# Altium PCB smart-ring-main.PcbDoc (part 2 of 6)
Units mm, origin at the board's own origin, x right, y up, seen from the top; angles counter-clockwise.
Board outline 62.7 x 25.3 mm, 6 copper layers (S1 Copper top, S2 Flex copper top, S3 Flex copper inner 1, S4 Flex copper inner 2, S5 Flex copper bottom, S6 Copper bottom), stack 0.511 mm thick; 75 components, 47 nets, 265 pads, 262 vias.
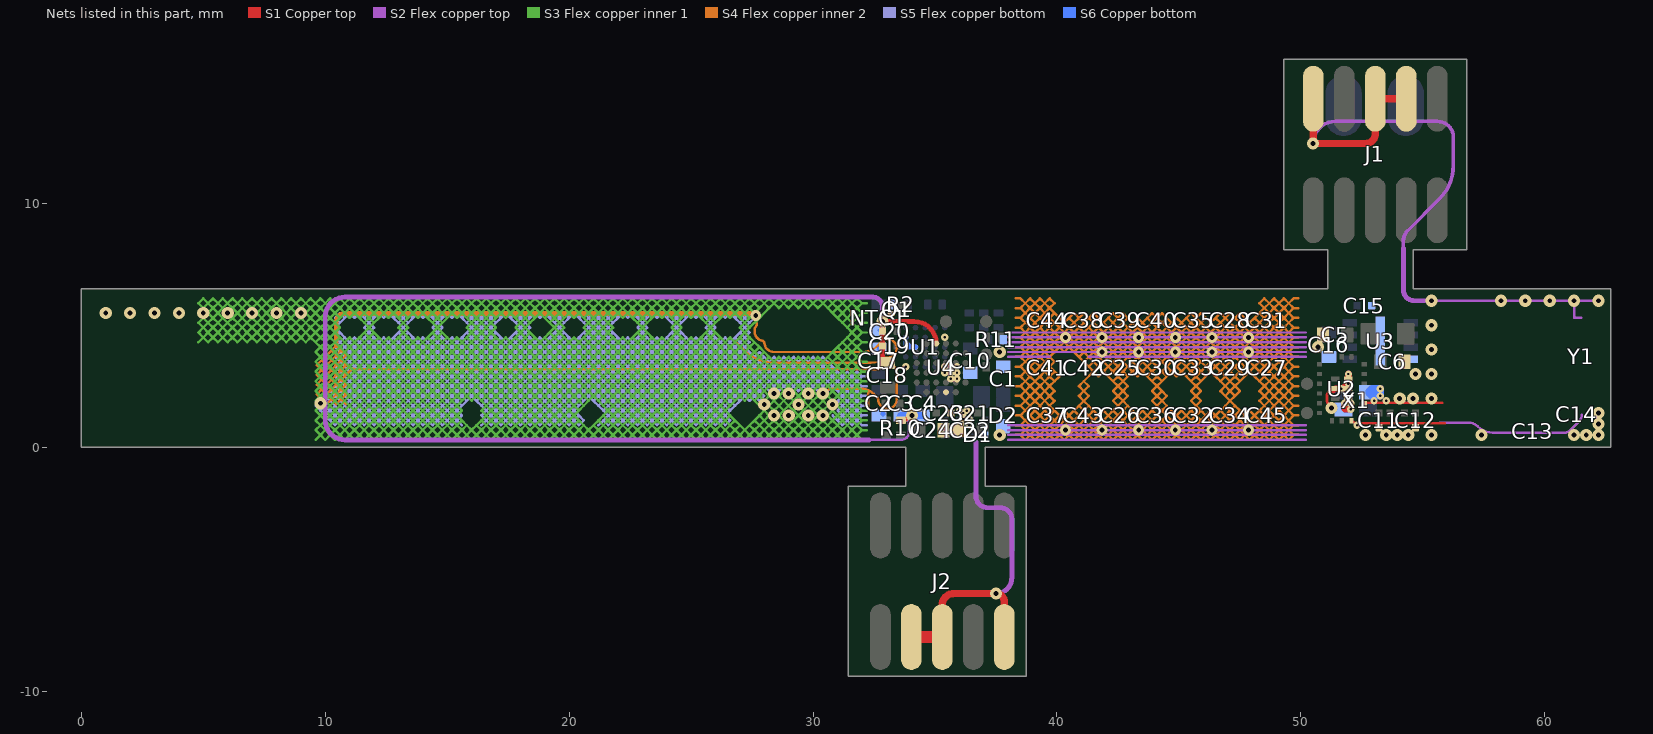
[diagram p6: the nets of this part, all layers, seen from the top]

## Via types
v1: diameter 0.45, hole 0.2, S2 Flex copper top to S5 Flex copper bottom, tented both sides, 61 vias
v2: diameter 0.5/0.5/0.5/0.5 (per signal layer), hole 0.2, S2 Flex copper top to S5 Flex copper bottom, 60 vias
v3: diameter 0.25/0.3 (per signal layer), hole 0.1, S1 Copper top to S2 Flex copper top, tented both sides, 40 vias
v4: diameter 0.4/0.5/0.5/0.5/0.5/0.4 (per signal layer), hole 0.2, S1 Copper top to S6 Copper bottom, tented both sides, 35 vias
v5: diameter 0.3/0.25 (per signal layer), hole 0.1, S5 Flex copper bottom to S6 Copper bottom, tented both sides, 34 vias
v6: diameter 0.5/0.5/0.5/0.5 (per signal layer), hole 0.2, S2 Flex copper top to S5 Flex copper bottom, tented both sides, 12 vias
v7: diameter 0.25, hole 0.1, S1 Copper top to S2 Flex copper top, tented both sides, 10 vias
v8: diameter 0.45/0.45/0.45/0.45 (per signal layer), hole 0.2, S2 Flex copper top to S5 Flex copper bottom, tented both sides, 4 vias
v9: diameter 0.4/0.45/0.45/0.45/0.45/0.4 (per signal layer), hole 0.2, S1 Copper top to S6 Copper bottom, tented both sides, 3 vias
v10: diameter 0.4, hole 0.2, S1 Copper top to S6 Copper bottom, tented both sides, 2 vias
v11: diameter 0.4/0.5/0.5/0.5/0.4/0.4 (per signal layer), hole 0.2, S1 Copper top to S6 Copper bottom, tented both sides, 1 vias

## Nets (pads, with @x,y where several pads share a name; then routed paths per layer and width w, separated by ;. In a path a pad name is that pad's centre, name@x,y a point inside that pad or via, vN(x,y) a via of type N, cw(c..) or ccw(c..) an arc to the next point about the centre after c; other vN are vias at no path point) (continued)
GND: (continued)
  S3 Flex copper inner 1 w0.1: 4.799,4.301 4.999,4.501 ; v2(6,5.5) 6.199,5.301 ; 6.2,5.7 6.399,5.501 ; v2(8,5.5) 8.199,5.3 ; 9.599,0.3 9.799,0.5 ; 19.2,5.1 19,5.3 ; 27.3,5.4 27.4,5.3 ; 27.5,5.6 v1@27.6,5.5 ; 27.7,0.6 27.6,0.7 ; 31,2.5 31.2,2.3 ; 31,2.9 31.2,2.7 ; 31,3.3 31.2,3.1 ; 31.4,2.5 31.6,2.3 ; 31.4,2.9 31.6,2.7 ; 31.4,3.3 31.6,3.1 ; 31.6,3.5 31.4,3.7 ; 32,4.3 31.8,4.1 ; 32.2,0.3 32,0.3 31.8,0.5 ; 32.2,0.7 32,0.7 ; 32.2,1.1 32,1.1 ; 32.2,1.5 32,1.5 ; 32.2,1.9 32,1.9 ; 32.2,2.3 32,2.3 ; 32.2,2.7 32,2.7 ; 32.2,3.1 32,3.1 ; 32.2,3.5 32,3.5 ; 32.2,3.9 32,3.9 ; 32.2,4.3 32,4.3 31.8,4.5 ; 32.2,4.7 32,4.7 ; 32.2,5.1 32,5.1 ; 32.2,5.5 32,5.5 ; 32.2,5.9 32,5.9 ; 4.999,4.501 5.199,4.701 ; 4.999,4.501 5.199,4.301 5.399,4.501 ; 4.999,4.501 4.799,4.701 4.999,4.901 ; 4.999,4.901 5.199,5.101 ; 4.999,4.901 5.199,4.701 ; 4.999,4.901 4.799,5.101 v2@4.999,5.301 ; v2@4.999,5.301 v2@5.199,5.501 ; v2@4.999,5.301 4.9,5.4 4.799,5.501 v2@4.999,5.701 ; v2@4.999,5.301 5.199,5.101 ; v2@4.999,5.701 5.1,5.6 v2@5.199,5.501 ; v2@4.999,5.701 5.199,5.901 ; v2@4.999,5.701 4.799,5.901 4.999,6.101 5.199,5.901 ; 5.199,4.701 5.399,4.901 ; 5.199,4.701 5.399,4.501 ; 5.199,5.101 5.399,5.301 ; 5.199,5.101 5.399,4.901 ; v2@5.199,5.501 5.399,5.701 ; v2@5.199,5.501 5.399,5.301 ; 5.199,5.901 5.399,6.101 5.599,5.901 ; 5.199,5.901 5.399,5.701 ; 5.399,4.501 5.599,4.301 5.799,4.501 ; 5.399,4.501 5.599,4.701 ; 5.399,4.901 5.599,4.701 ; 5.399,4.901 5.599,5.101 ; 5.399,5.301 5.599,5.501 ; 5.399,5.301 5.599,5.101 ; 5.399,5.701 5.599,5.501 ; 5.399,5.701 5.599,5.901 ; 5.599,4.701 5.799,4.501 ; 5.599,4.701 5.799,4.901 ; 5.599,5.101 5.799,4.901 ; 5.599,5.101 5.799,5.301 ; 5.599,5.501 5.799,5.701 ; 5.599,5.501 5.799,5.301 ; 5.599,5.901 5.799,6.101 5.999,5.901 ; 5.599,5.901 5.799,5.701 ; 5.799,4.501 5.999,4.701 ; 5.799,4.501 5.999,4.301 6.199,4.501 ; 5.799,4.901 5.999,5.101 ; 5.799,4.901 5.999,4.701 ; 5.799,5.301 5.8,5.3 5.999,5.101 ; 5.799,5.301 v2@5.999,5.501 ; 5.799,5.701 5.999,5.901 ; 5.799,5.701 v2@5.999,5.501 ; 5.999,4.701 6.199,4.901 ; 5.999,4.701 6.199,4.501 ; 5.999,5.101 6.199,5.301 ; 5.999,5.101 6.199,4.901 ; v2@5.999,5.501 6.199,5.701 ; 5.999,5.901 6.199,6.101 6.399,5.901 ; 5.999,5.901 6.199,5.701 ; 6.199,4.501 6.399,4.301 6.599,4.501 ; 6.199,4.501 6.399,4.701 ; 6.199,4.901 6.399,4.701 ; 6.199,4.901 6.399,5.101 ; 6.199,5.301 6.399,5.501 ; 6.199,5.301 6.399,5.101 ; 6.199,5.701 6.399,5.901 ; 6.399,4.701 6.599,4.501 ; 6.399,4.701 6.599,4.901 ; 6.399,5.101 6.599,4.901 ; 6.399,5.101 6.599,5.301 ; 6.399,5.501 6.599,5.701 ; 6.399,5.501 6.599,5.301 ; 6.399,5.901 6.599,6.101 6.799,5.901 ; 6.399,5.901 6.599,5.701 ; 6.599,4.501 6.799,4.701 ; 6.599,4.501 6.799,4.3 6.999,4.5 ; 6.599,4.901 6.799,5.101 ; 6.599,4.901 6.799,4.701 ; 6.599,5.301 v2@6.799,5.501 ; 6.599,5.301 6.799,5.101 ; 6.599,5.701 6.799,5.901 ; 6.599,5.701 v2@6.799,5.501 ; 6.799,4.7 6.999,4.9 ; 6.799,4.7 6.999,4.5 ; 6.799,5.1 v2@6.999,5.3 ; 6.799,5.1 6.999,4.9 ; v2@6.799,5.5 v2@6.999,5.7 ; v2@6.799,5.5 6.9,5.4 v2@6.999,5.3 ; 6.799,5.9 6.999,6.1 7.199,5.9 ; 6.799,5.9 v2@6.999,5.7 ; 6.999,4.5 7.199,4.3 7.399,4.5 ; 6.999,4.5 7.199,4.7 ; 6.999,4.9 7.199,4.7 ; 6.999,4.9 7.199,5.1 ; v2@6.999,5.3 v2@7.199,5.5 ; v2@6.999,5.3 7.199,5.1 ; v2@6.999,5.7 7.1,5.6 v2@7.199,5.5 ; v2@6.999,5.7 7.199,5.9 ; 7.199,4.7 7.399,4.5 ; 7.199,4.7 7.399,4.9 ; 7.199,5.1 7.399,4.9 ; 7.199,5.1 7.399,5.3 ; v2@7.199,5.5 7.399,5.7 ; v2@7.199,5.5 7.399,5.3 ; 7.199,5.9 7.399,6.1 7.599,5.9 ; 7.199,5.9 7.399,5.7 ; 7.399,4.5 7.599,4.7 ; 7.399,4.5 7.599,4.3 7.799,4.5 ; 7.399,4.9 7.599,5.1 ; 7.399,4.9 7.599,4.7 ; 7.399,5.3 7.599,5.5 ; 7.399,5.3 7.599,5.1 ; 7.399,5.7 7.599,5.9 ; 7.399,5.7 7.599,5.5 ; 7.599,4.7 7.799,4.9 ; 7.599,4.7 7.799,4.5 ; 7.599,5.1 7.799,5.3 ; 7.599,5.1 7.799,4.9 ; 7.599,5.5 7.799,5.7 ; 7.599,5.5 7.799,5.3 ; 7.599,5.9 7.799,6.1 7.999,5.9 ; 7.599,5.9 7.799,5.7 ; 7.799,4.5 7.999,4.3 8.199,4.5 ; 7.799,4.5 7.999,4.7 ; 7.799,4.9 7.999,4.7 ; 7.799,4.9 7.999,5.1 ; 7.8,5.3 7.999,5.1 ; 7.799,5.3 v2(8,5.5) ; 7.799,5.7 7.999,5.9 ; 7.799,5.7 v2(8,5.5) ; 7.999,4.7 8.199,4.5 ; 7.999,4.7 8.199,4.9 ; 7.999,5.1 8.199,4.9 ; 7.999,5.1 8.199,5.3 ; v2(8,5.5) 8.199,5.7 ; 7.999,5.9 8.199,6.1 8.399,5.9 ; 7.999,5.9 8.199,5.7 ; 8.199,4.5 8.399,4.3 8.599,4.5 ; 8.199,4.5 8.399,4.7 ; 8.199,4.9 8.399,5.1 ; 8.199,4.9 8.399,4.7 ; 8.199,5.3 8.399,5.5 ; 8.199,5.3 8.399,5.1 ; 8.2,5.7 8.399,5.5 ; 8.199,5.7 8.399,5.9 ; 8.399,4.7 8.599,4.5 ; 8.399,4.7 8.599,4.9 ; 8.399,5.1 8.599,5.3 ; 8.399,5.1 8.599,4.9 ; 8.399,5.5 8.599,5.7 ; 8.399,5.5 8.599,5.3 ; 8.399,5.9 8.599,6.1 8.799,5.9 ; 8.399,5.9 8.599,5.7 ; 8.599,4.5 8.799,4.3 8.999,4.5 ; 8.599,4.5 8.799,4.7 ; 8.599,4.9 8.799,4.7 ; 8.599,4.9 8.799,5.1 ; 8.599,5.3 v2@8.799,5.5 ; 8.599,5.3 8.799,5.1 ; 8.599,5.7 v2@8.799,5.5 ; 8.599,5.7 8.799,5.9 ; 8.799,4.7 8.999,4.5 ; 8.799,4.7 8.999,4.9 ; 8.799,5.1 8.999,4.9 ; 8.799,5.1 v2@8.999,5.3 ; v2@8.799,5.5 v2@8.999,5.7 ; v2@8.799,5.5 8.9,5.4 v2@8.999,5.3 ; 8.799,5.9 8.999,6.1 9.199,5.9 ; 8.799,5.9 v2@8.999,5.7 ; 8.999,4.5 9.199,4.3 9.399,4.5 ; 8.999,4.5 9.199,4.7 ; 8.999,4.9 9.199,5.1 ; 8.999,4.9 9.199,4.7 ; v2@8.999,5.3 v2@9.199,5.5 ; v2@8.999,5.3 9.199,5.1 ; v2@8.999,5.7 9.1,5.6 v2@9.199,5.5 ; v2@8.999,5.7 9.199,5.9 ; 9.199,4.7 9.399,4.5 ; 9.199,4.7 9.399,4.9 ; 9.199,5.1 9.399,5.3 ; 9.199,5.1 9.399,4.9 ; v2@9.199,5.5 9.399,5.7 ; v2@9.199,5.5 9.399,5.3 ; 9.199,5.9 9.399,6.1 9.599,5.9 ; 9.199,5.9 9.399,5.7 ; 9.399,4.5 9.599,4.3 ; 9.399,4.5 9.599,4.7 ; 9.399,4.9 9.599,4.7 ; 9.399,4.9 9.599,5.1 ; 9.399,5.3 9.599,5.5 ; 9.399,5.3 9.599,5.1 ; 9.399,5.7 9.599,5.5 ; 9.399,5.7 9.599,5.9 ; 9.599,4.3 9.799,4.1 ; 9.599,4.3 9.799,4.5 ; 9.599,4.7 9.799,4.9 ; 9.599,4.7 9.799,4.5 ; 9.599,5.1 9.799,4.9 ; 9.599,5.1 9.799,5.3 ; 9.599,5.5 9.799,5.7 ; 9.599,5.5 9.799,5.3 ; 9.599,5.9 9.799,6.1 9.999,5.9 ; 9.599,5.9 9.799,5.7 ; 9.799,0.5 9.599,0.7 9.799,0.9 ; 9.799,0.5 9.999,0.7 ; 9.799,0.5 9.999,0.3 10.199,0.5 ; 9.799,0.9 9.599,1.1 9.799,1.3 ; 9.799,0.9 9.999,1.1 ; 9.799,0.9 9.999,0.7 ; 9.799,1.3 9.999,1.1 ; 9.799,1.3 9.599,1.5 v6@9.799,1.7 ; 9.799,1.3 9.999,1.5 ; v6@9.799,1.7 v6@9.999,1.9 ; v6@9.799,1.7 9.599,1.9 9.799,2.1 ; v6@9.799,1.7 9.999,1.5 ; 9.799,2.1 v6@9.999,1.9 ; 9.799,2.1 9.599,2.3 9.799,2.5 ; 9.799,2.1 9.999,2.3 ; 9.799,2.5 9.599,2.7 9.799,2.9 ; 9.799,2.5 9.999,2.3 ; 9.799,2.5 9.999,2.7 ; 9.799,2.9 9.599,3.1 9.799,3.3 ; 9.799,2.9 9.999,3.1 ; 9.799,2.9 9.999,2.7 ; 9.799,3.3 9.999,3.1 ; 9.799,3.3 9.599,3.5 9.799,3.7 ; 9.799,3.3 9.999,3.5 ; 9.799,3.7 9.599,3.9 9.799,4.1 ; 9.799,3.7 9.999,3.5 ; 9.799,3.7 9.999,3.9 ; 9.799,4.1 9.999,4.3 ; 9.799,4.1 9.999,3.9 ; 9.799,4.5 9.999,4.7 ; 9.799,4.5 9.999,4.3 ; 9.799,4.9 9.999,5.1 ; 9.799,4.9 9.999,4.7 ; 9.799,5.3 9.999,5.1 ; 9.799,5.3 9.999,5.5 ; 9.799,5.7 9.999,5.9 ; 9.799,5.7 9.999,5.5 ; 9.999,0.7 10.199,0.9 ; 9.999,0.7 10.199,0.5 ; 9.999,1.1 10.199,0.9 ; 9.999,1.1 10.199,1.3 ; 9.999,1.5 10.199,1.7 ; 9.999,1.5 10.199,1.3 ; v6@9.999,1.9 10.199,1.7 ; v6@9.999,1.9 10.199,2.1 ; 9.999,2.3 10.199,2.1 ; 9.999,2.3 10.199,2.5 ; 9.999,2.7 10.199,2.9 ; 9.999,2.7 10.199,2.5 ; 9.999,3.1 10.199,2.9 ; 9.999,3.1 10.199,3.3 ; 9.999,3.5 10.199,3.7 ; 9.999,3.5 10.199,3.3 ; 9.999,3.9 10.199,4.1 ; 9.999,3.9 10.199,3.7 ; 9.999,4.3 10.199,4.5 ; 9.999,4.3 10.199,4.1 ; 9.999,4.7 10.199,4.9 ; 9.999,4.7 10.199,4.5 ; 9.999,5.1 10.199,4.9 ; 9.999,5.1 10.199,5.3 ; 9.999,5.5 10.199,5.7 ; 9.999,5.5 10.199,5.3 ; 9.999,5.9 10.199,5.7 ; 9.999,5.9 10.199,6.1 10.399,5.9 ; 10.199,0.5 10.399,0.7 ; 10.199,0.5 10.399,0.3 10.599,0.5 ; 10.199,0.9 10.399,1.1 ; 10.199,0.9 10.399,0.7 ; 10.199,1.3 10.399,1.1 ; 10.199,1.3 10.399,1.5 ; 10.199,1.7 10.399,1.9 ; 10.199,1.7 10.399,1.5 ; 10.199,2.1 10.399,1.9 ; 10.199,2.1 10.399,2.3 ; 10.199,2.5 10.399,2.7 ; 10.199,2.5 10.399,2.3 ; 10.199,2.9 10.399,3.1 ; 10.199,2.9 10.399,2.7 ; 10.199,3.3 10.399,3.1 ; 10.199,3.3 10.399,3.5 ; 10.199,3.7 10.399,3.9 ; 10.199,3.7 10.399,3.5 ; 10.199,4.1 10.399,3.9 ; 10.199,4.1 10.399,4.3 ; 10.199,4.5 10.399,4.7 ; 10.199,4.5 10.399,4.3 ; 10.199,4.9 10.399,5.1 ; 10.199,4.9 10.399,4.7 ; 10.199,5.3 10.399,5.1 ; 10.199,5.3 10.399,5.5 ; 10.199,5.7 10.399,5.5 ; 10.199,5.7 10.399,5.9 ; 10.399,0.7 10.599,0.9 ; 10.399,0.7 10.599,0.5 ; 10.399,1.1 10.599,0.9 ; 10.399,1.1 10.599,1.3 ; 10.399,1.5 10.599,1.7 ; 10.399,1.5 10.599,1.3 ; 10.399,1.9 10.599,2.1 ; 10.399,1.9 10.599,1.7 ; 10.399,2.3 10.599,2.5 ; 10.399,2.3 10.599,2.1 ; 10.399,2.7 10.599,2.9 ; 10.399,2.7 10.599,2.5 ; 10.399,3.1 10.599,2.9 ; 10.399,3.1 10.599,3.3 ; 10.399,3.5 10.599,3.7 ; 10.399,3.5 10.599,3.3 ; 10.399,3.9 10.599,4.1 ; 10.399,3.9 10.599,3.7 ; 10.399,4.3 10.599,4.1 ; 10.399,4.3 10.599,4.5 ; 10.399,4.7 10.599,4.9 10.399,5.1 ; 10.399,4.7 10.599,4.5 ; 10.399,5.1 10.599,5.3 ; 10.399,5.5 10.599,5.7 ; 10.399,5.5 10.599,5.3 ; 10.399,5.9 10.599,5.7 ; 10.399,5.9 10.599,6.1 10.799,5.9 ; 10.599,0.5 10.799,0.7 ; 10.599,0.5 10.799,0.3 10.999,0.5 ; 10.599,0.9 10.799,1.1 ; 10.599,0.9 10.799,0.7 ; 10.599,1.3 10.799,1.1 ; 10.599,1.3 10.799,1.5 ; 10.599,1.7 10.799,1.9 ; 10.599,1.7 10.799,1.5 ; 10.599,2.1 10.799,2.3 ; 10.599,2.1 10.799,1.9 ; 10.599,2.5 10.799,2.7 ; 10.599,2.5 10.799,2.3 ; 10.599,2.9 10.799,2.7 ; 10.599,2.9 10.799,3.1 ; 10.599,3.3 10.799,3.1 ; 10.599,3.3 10.799,3.5 ; 10.599,3.7 10.799,3.9 ; 10.599,3.7 10.799,3.5 ; 10.599,4.1 10.799,4.3 ; 10.599,4.1 10.799,3.9 ; 10.599,4.5 10.799,4.3 ; 10.599,5.3 10.799,5.5 ; 10.599,5.7 10.799,5.5 ; 10.599,5.7 10.799,5.9 ; 10.799,0.7 10.999,0.9 ; 10.799,0.7 10.999,0.5 ; 10.799,1.1 10.999,0.9 ; 10.799,1.1 10.999,1.3 ; 10.799,1.5 10.999,1.7 ; 10.799,1.5 10.999,1.3 ; 10.799,1.9 10.999,2.1 ; 10.799,1.9 10.999,1.7 ; 10.799,2.3 10.999,2.1 ; 10.799,2.3 10.999,2.5 ; 10.799,2.7 10.999,2.9 ; 10.799,2.7 10.999,2.5 ; 10.799,3.1 10.999,2.9 ; 10.799,3.1 10.999,3.3 ; 10.799,3.5 10.999,3.7 ; 10.799,3.5 10.999,3.3 ; 10.799,3.9 10.999,4.1 ; 10.799,3.9 10.999,3.7 ; 10.799,4.3 10.999,4.1 ; 10.799,4.3 10.999,4.5 11.199,4.3 ; 10.799,5.5 10.999,5.7 ; 10.799,5.5 10.999,5.3 11.199,5.5 ; 10.799,5.9 10.999,5.7 ; 10.799,5.9 10.999,6.1 11.199,5.9 ; 10.999,0.5 11.199,0.7 ; 10.999,0.5 11.199,0.3 11.399,0.5 ; 10.999,0.9 11.199,1.1 ; 10.999,0.9 11.199,0.7 ; 10.999,1.3 11.199,1.1 ; 10.999,1.3 11.199,1.5 ; 10.999,1.7 11.199,1.9 ; 10.999,1.7 11.199,1.5 ; 10.999,2.1 11.199,1.9 ; 10.999,2.1 11.199,2.3 ; 10.999,2.5 11.199,2.3 ; 10.999,2.5 11.199,2.7 ; 10.999,2.9 11.199,3.1 ; 10.999,2.9 11.199,2.7 ; 10.999,3.3 11.199,3.1 ; 10.999,3.3 11.199,3.5 ; 10.999,3.7 11.199,3.5 ; 10.999,3.7 11.199,3.9 ; 10.999,4.1 11.199,4.3 ; 10.999,4.1 11.199,3.9 ; 10.999,5.7 11.199,5.5 ; 10.999,5.7 11.199,5.9 ; 11.199,0.7 11.399,0.9 ; 11.199,0.7 11.399,0.5 ; 11.199,1.1 11.399,0.9 ; 11.199,1.1 11.399,1.3 ; 11.199,1.5 11.399,1.7 ; 11.199,1.5 11.399,1.3 ; 11.199,1.9 11.399,2.1 ; 11.199,1.9 11.399,1.7 ; 11.199,2.3 11.399,2.1 ; 11.199,2.3 11.399,2.5 ; 11.199,2.7 11.399,2.9 ; 11.199,2.7 11.399,2.5 ; 11.199,3.1 11.399,2.9 ; 11.199,3.1 11.399,3.3 ; 11.199,3.5 11.399,3.7 ; 11.199,3.5 11.399,3.3 ; 11.199,3.9 11.399,4.1 ; 11.199,3.9 11.399,3.7 ; 11.199,4.3 11.399,4.5 ; 11.199,4.3 11.399,4.1 ; 11.199,5.5 11.399,5.7 ; 11.199,5.5 11.399,5.3 ; 11.199,5.9 11.399,5.7 ; 11.199,5.9 11.399,6.1 11.599,5.9 ; 11.399,0.5 11.599,0.7 ; 11.399,0.5 11.599,0.3 11.799,0.5 ; 11.399,0.9 11.599,1.1 ; 11.399,0.9 11.599,0.7 ; 11.399,1.3 11.599,1.1 ; 11.399,1.3 11.599,1.5 ; 11.399,1.7 11.599,1.9 ; 11.399,1.7 11.599,1.5 ; 11.399,2.1 11.599,2.3 ; 11.399,2.1 11.599,1.9 ; 11.399,2.5 11.599,2.7 ; 11.399,2.5 11.599,2.3 ; 11.399,2.9 11.599,3.1 ; 11.399,2.9 11.599,2.7 ; 11.399,3.3 11.599,3.1 ; 11.399,3.3 11.599,3.5 ; 11.399,3.7 11.599,3.9 ; 11.399,3.7 11.599,3.5 ; 11.399,4.1 11.599,3.9 ; 11.399,4.1 11.599,4.3 ; 11.399,4.5 11.599,4.3 ; 11.399,4.5 11.599,4.7 ; 11.399,5.3 11.599,5.1 ; 11.399,5.3 11.599,5.5 ; 11.399,5.7 11.599,5.5 ; 11.399,5.7 11.599,5.9 ; 11.599,0.7 11.799,0.9 ; 11.599,0.7 11.799,0.5 ; 11.599,1.1 11.799,0.9 ; 11.599,1.1 11.799,1.3 ; 11.599,1.5 11.799,1.7 ; 11.599,1.5 11.799,1.3 ; 11.599,1.9 11.799,2.1 ; 11.599,1.9 11.799,1.7 ; 11.599,2.3 11.799,2.5 ; 11.599,2.3 11.799,2.1 ; 11.599,2.7 11.799,2.9 ; 11.599,2.7 11.799,2.5 ; 11.599,3.1 11.799,3.3 ; 11.599,3.1 11.799,2.9 ; 11.599,3.5 11.799,3.7 ; 11.599,3.5 11.799,3.3 ; 11.599,3.9 11.799,3.7 ; 11.599,3.9 11.799,4.1 ; 11.599,4.3 11.799,4.1 ; 11.599,4.3 11.799,4.5 ; 11.599,4.7 11.799,4.9 ; 11.599,4.7 11.799,4.5 ; 11.599,5.1 11.799,4.9 ; 11.599,5.1 11.799,5.3 ; 11.599,5.5 11.799,5.7 ; 11.599,5.5 11.799,5.3 ; 11.599,5.9 11.799,5.7 ; 11.599,5.9 11.799,6.1 11.999,5.9 ; 11.799,0.5 11.999,0.7 ; 11.799,0.5 11.999,0.3 12.199,0.5 ; 11.799,0.9 11.999,1.1 ; 11.799,0.9 11.999,0.7 ; 11.799,1.3 11.999,1.1 ; 11.799,1.3 11.999,1.5 ; 11.799,1.7 11.999,1.9 ; 11.799,1.7 11.999,1.5 ; 11.799,2.1 11.999,2.3 ; 11.799,2.1 11.999,1.9 ; 11.799,2.5 11.999,2.3 ; 11.799,2.5 11.999,2.7 ; 11.799,2.9 11.999,3.1 ; 11.799,2.9 11.999,2.7 ; 11.799,3.3 11.999,3.5 ; 11.799,3.3 11.999,3.1 ; 11.799,3.7 11.999,3.9 ; 11.799,3.7 11.999,3.5 ; 11.799,4.1 11.999,3.9 ; 11.799,4.1 11.999,4.3 ; 11.799,4.5 11.999,4.3 ; 11.799,4.5 11.999,4.7 ; 11.799,4.9 11.999,5.1 ; 11.799,4.9 11.999,4.7 ; 11.799,5.3 11.999,5.5 ; 11.799,5.3 11.999,5.1 ; 11.799,5.7 11.999,5.9 ; 11.799,5.7 11.999,5.5 ; 11.999,0.7 12.199,0.9 ; 11.999,0.7 12.199,0.5 ; 11.999,1.1 12.199,0.9 ; 11.999,1.1 12.199,1.3 ; 11.999,1.5 12.199,1.7 ; 11.999,1.5 12.199,1.3 ; 11.999,1.9 12.199,2.1 ; 11.999,1.9 12.199,1.7 ; 11.999,2.3 12.199,2.5 ; 11.999,2.3 12.199,2.1 ; 11.999,2.7 12.199,2.5 ; 11.999,2.7 12.199,2.9 ; 11.999,3.1 12.199,2.9 ; 11.999,3.1 12.199,3.3 ; 11.999,3.5 12.199,3.7 ; 11.999,3.5 12.199,3.3 ; 11.999,3.9 12.199,4.1 ; 11.999,3.9 12.199,3.7 ; 11.999,4.3 12.199,4.1 ; 11.999,4.3 12.199,4.5 ; 11.999,4.7 12.199,4.5 ; 11.999,5.1 12.199,5.3 ; 11.999,5.5 12.199,5.7 ; 11.999,5.5 12.199,5.3 ; 11.999,5.9 12.199,5.7 ; 11.999,5.9 12.199,6.1 12.399,5.9 ; 12.199,0.5 12.399,0.7 ; 12.199,0.5 12.399,0.3 12.599,0.5 ; 12.199,0.9 12.399,1.1 ; 12.199,0.9 12.399,0.7 ; 12.199,1.3 12.399,1.1 ; 12.199,1.3 12.399,1.5 ; 12.199,1.7 12.399,1.9 ; 12.199,1.7 12.399,1.5 ; 12.199,2.1 12.399,1.9 ; 12.199,2.1 12.399,2.3 ; 12.199,2.5 12.399,2.7 ; 12.199,2.5 12.399,2.3 ; 12.199,2.9 12.399,3.1 ; 12.199,2.9 12.399,2.7 ; 12.199,3.3 12.399,3.1 ; 12.199,3.3 12.399,3.5 ; 12.199,3.7 12.399,3.5 ; 12.199,3.7 12.399,3.9 ; 12.199,4.1 12.399,4.3 ; 12.199,4.1 12.399,3.9 ; 12.199,4.5 12.399,4.3 ; 12.199,5.3 12.399,5.5 ; 12.199,5.7 12.399,5.9 ; 12.199,5.7 12.399,5.5 ; 12.399,0.7 12.599,0.9 ; 12.399,0.7 12.599,0.5 ; 12.399,1.1 12.599,0.9 ; 12.399,1.1 12.599,1.3 ; 12.399,1.5 12.599,1.7 ; 12.399,1.5 12.599,1.3 ; 12.399,1.9 12.599,1.7 ; 12.399,1.9 12.599,2.1 ; 12.399,2.3 12.599,2.1 ; 12.399,2.3 12.599,2.5 ; 12.399,2.7 12.599,2.9 ; 12.399,2.7 12.599,2.5 ; 12.399,3.1 12.599,2.9 ; 12.399,3.1 12.599,3.3 ; 12.399,3.5 12.599,3.7 ; 12.399,3.5 12.599,3.3 ; 12.399,3.9 12.599,4.1 ; 12.399,3.9 12.599,3.7 ; 12.399,4.3 12.599,4.1 ; 12.399,4.3 12.599,4.5 12.799,4.3 ; 12.399,5.5 12.599,5.7 ; 12.399,5.5 12.599,5.3 12.799,5.5 ; 12.399,5.9 12.599,5.7 ; 12.399,5.9 12.599,6.1 12.799,5.9 ; 12.599,3.3 12.799,3.1 ; 12.599,3.3 12.799,3.5 ; 12.599,3.7 12.799,3.9 ; 12.599,3.7 12.799,3.5 ; 12.599,4.1 12.799,4.3 ; 12.599,4.1 12.799,3.9 ; 12.599,5.7 12.799,5.5 ; 12.599,5.7 12.799,5.9 ; 12.599,0.5 12.799,0.3 12.999,0.5 ; 12.599,0.5 12.799,0.7 ; 12.599,0.9 12.799,1.1 ; 12.599,0.9 12.799,0.7 ; 12.599,1.3 12.799,1.1 ; 12.599,1.3 12.799,1.5 ; 12.599,1.7 12.799,1.9 ; 12.599,1.7 12.799,1.5 ; 12.599,2.1 12.799,1.9 ; 12.599,2.1 12.799,2.3 ; 12.599,2.5 12.799,2.3 ; 12.599,2.5 12.799,2.7 ; 12.599,2.9 12.799,3.1 ; 12.599,2.9 12.799,2.7 ; 12.8,0.7 12.999,0.5 ; 12.8,0.7 12.999,0.9 ; 12.799,1.1 12.999,0.9 ; 12.799,1.1 12.999,1.3 ; 12.799,1.5 12.999,1.7 ; 12.799,1.5 12.999,1.3 ; 12.799,1.9 12.999,1.7 ; 12.799,1.9 12.999,2.1 ; 12.799,2.3 12.999,2.1 ; 12.799,2.3 12.999,2.5 ; 12.799,2.7 12.999,2.9 ; 12.799,2.7 12.999,2.5 ; 12.8,3.1 12.999,2.9 ; 12.8,3.1 12.999,3.3 ; 12.799,3.5 12.999,3.7 ; 12.799,3.5 12.999,3.3 ; 12.799,3.9 12.999,4.1 ; 12.799,3.9 12.999,3.7 ; 12.799,4.3 12.999,4.1 ; 12.799,4.3 12.999,4.5 ; 12.799,5.5 12.999,5.7 ; 12.799,5.5 12.999,5.3 ; 12.8,5.9 12.999,6.1 13.199,5.9 ; 12.8,5.9 12.999,5.7 ; 12.999,0.5 13.199,0.7 ; 12.999,0.5 13.2,0.3 13.4,0.5 ; 12.999,0.9 13.199,1.1 ; 12.999,0.9 13.199,0.7 ; 12.999,1.3 13.199,1.1 ; 12.999,1.3 13.199,1.5 ; 12.999,1.7 13.199,1.9 ; 12.999,1.7 13.199,1.5 ; 12.999,2.1 13.199,1.9 ; 12.999,2.1 13.199,2.3 ; 12.999,2.5 13.199,2.3 ; 12.999,2.5 13.199,2.7 ; 12.999,2.9 13.199,3.1 ; 12.999,2.9 13.199,2.7 ; 12.999,3.3 13.199,3.1 ; 12.999,3.3 13.199,3.5 ; 12.999,3.7 13.199,3.5 ; 12.999,3.7 13.199,3.9 ; 12.999,4.1 13.199,4.3 ; 12.999,4.1 13.199,3.9 ; 12.999,4.5 13.199,4.7 ; 12.999,4.5 13.199,4.3 ; 12.999,5.3 13.199,5.1 ; 12.999,5.3 13.199,5.5 ; 12.999,5.7 13.199,5.9 ; 12.999,5.7 13.199,5.5 ; 13.199,0.7 13.399,0.9 ; 13.199,0.7 13.4,0.5 ; 13.199,1.1 13.399,0.9 ; 13.199,1.1 13.399,1.3 ; 13.199,1.5 13.399,1.7 ; 13.199,1.5 13.399,1.3 ; 13.199,1.9 13.399,1.7 ; 13.199,1.9 13.399,2.1 ; 13.199,2.3 13.399,2.1 ; 13.199,2.3 13.399,2.5 ; 13.199,2.7 13.399,2.9 ; 13.199,2.7 13.399,2.5 ; 13.199,3.1 13.399,2.9 ; 13.199,3.1 13.399,3.3 ; 13.199,3.5 13.399,3.7 ; 13.199,3.5 13.399,3.3 ; 13.199,3.9 13.399,4.1 ; 13.199,3.9 13.399,3.7 ; 13.199,4.3 13.399,4.5 ; 13.199,4.3 13.399,4.1 ; 13.199,4.7 13.399,4.9 13.199,5.1 ; 13.199,4.7 13.399,4.5 ; 13.199,4.7 12.999,4.9 13.199,5.1 ; 13.199,5.1 13.399,5.3 ; 13.199,5.5 13.399,5.7 ; 13.199,5.5 13.399,5.3 ; 13.199,5.9 13.399,5.7 ; 13.199,5.9 13.399,6.1 13.599,5.9 ; 13.399,0.9 13.599,1.1 ; 13.399,0.9 13.6,0.7 ; 13.399,1.3 13.599,1.1 ; 13.399,1.3 13.599,1.5 ; 13.399,1.7 13.599,1.9 ; 13.399,1.7 13.599,1.5 ; 13.399,2.1 13.599,1.9 ; 13.399,2.1 13.599,2.3 ; 13.399,2.5 13.599,2.7 ; 13.399,2.5 13.599,2.3 ; 13.399,2.9 13.599,3.1 ; 13.399,2.9 13.599,2.7 ; 13.399,3.3 13.599,3.1 ; 13.399,3.3 13.599,3.5 ; 13.399,3.7 13.599,3.9 ; 13.399,3.7 13.599,3.5 ; 13.399,4.1 13.599,3.9 ; 13.399,4.1 13.599,4.3 ; 13.399,4.5 13.599,4.3 ; 13.399,5.3 13.599,5.5 ; 13.399,5.7 13.599,5.5 ; 13.399,5.7 13.599,5.9 ; 13.4,0.5 13.6,0.7 ; 13.4,0.5 13.6,0.3 13.8,0.5 ; 13.6,0.7 13.8,0.9 ; 13.6,0.7 13.8,0.5 ; 13.599,1.1 13.8,0.9 ; 13.599,1.1 13.799,1.3 ; 13.599,1.5 13.799,1.7 ; 13.599,1.5 13.799,1.3 ; 13.599,1.9 13.799,2.1 ; 13.599,1.9 13.799,1.7 ; 13.599,2.3 13.799,2.5 ; 13.599,2.3 13.799,2.1 ; 13.599,2.7 13.799,2.9 ; 13.599,2.7 13.799,2.5 ; 13.599,3.1 13.799,2.9 ; 13.599,3.1 13.799,3.3 ; 13.599,3.5 13.799,3.7 ; 13.599,3.5 13.799,3.3 ; 13.599,3.9 13.799,4.1 ; 13.599,3.9 13.799,3.7 ; 13.599,4.3 13.799,4.1 ; 13.599,4.3 13.799,4.5 13.999,4.3 ; 13.599,5.5 13.799,5.7 ; 13.599,5.5 13.799,5.3 13.999,5.5 ; 13.599,5.9 13.799,5.7 ; 13.599,5.9 13.799,6.1 13.999,5.9 ; 13.799,1.3 14,1.1 ; 13.799,1.3 13.999,1.5 ; 13.799,1.7 13.999,1.9 ; 13.799,1.7 13.999,1.5 ; 13.799,2.1 13.999,2.3 ; 13.799,2.1 13.999,1.9 ; 13.799,2.5 13.999,2.7 ; 13.799,2.5 13.999,2.3 ; 13.799,2.9 13.999,3.1 ; 13.799,2.9 13.999,2.7 ; 13.799,3.3 13.999,3.1 ; 13.799,3.3 13.999,3.5 ; 13.799,3.7 13.999,3.9 ; 13.799,3.7 13.999,3.5 ; 13.799,4.1 13.999,4.3 ; 13.799,4.1 13.999,3.9 ; 13.799,5.7 13.999,5.5 ; 13.799,5.7 13.999,5.9 ; 13.8,0.5 14,0.7 ; 13.8,0.5 14,0.3 14.2,0.5 ; 13.8,0.9 14,1.1 ; 13.8,0.9 14,0.7 ; 14,0.7 14.2,0.9 ; 14,0.7 14.2,0.5 ; 14,1.1 14.2,0.9 ; 14,1.1 14.2,1.3 ; 13.999,1.5 14.199,1.7 ; 13.999,1.5 14.2,1.3 ; 13.999,1.9 14.199,2.1 ; 13.999,1.9 14.199,1.7 ; 13.999,2.3 14.199,2.1 ; 13.999,2.3 14.199,2.5 ; 13.999,2.7 14.199,2.9 ; 13.999,2.7 14.199,2.5 ; 13.999,3.1 14.199,2.9 ; 13.999,3.1 14.199,3.3 ; 13.999,3.5 14.199,3.7 ; 13.999,3.5 14.199,3.3 ; 13.999,3.9 14.199,4.1 ; 13.999,3.9 14.199,3.7 ; 13.999,4.3 14.199,4.1 ; 13.999,4.3 14.199,4.5 ; 13.999,5.5 14.199,5.7 ; 13.999,5.5 14.199,5.3 ; 13.999,5.9 14.199,5.7 ; 13.999,5.9 14.199,6.1 14.399,5.9 ; 14.2,0.5 14.4,0.7 ; 14.2,0.5 14.4,0.3 14.6,0.5 ; 14.2,0.9 14.4,1.1 ; 14.2,0.9 14.4,0.7 ; 14.2,1.3 14.4,1.1 ; 14.2,1.3 14.4,1.5 ; 14.199,1.7 14.399,1.9 ; 14.199,1.7 14.4,1.5 ; 14.199,2.1 14.399,1.9 ; 14.199,2.1 14.399,2.3 ; 14.199,2.5 14.399,2.3 ; 14.199,2.5 14.399,2.7 ; 14.199,2.9 14.399,3.1 ; 14.199,2.9 14.399,2.7 ; 14.199,3.3 14.399,3.1 ; 14.199,3.3 14.399,3.5 ; 14.199,3.7 14.399,3.5 ; 14.199,3.7 14.399,3.9 ; 14.199,4.1 14.399,4.3 ; 14.199,4.1 14.399,3.9 